# KiCad board RASRF2400WBMC.kicad_pcb (continued)
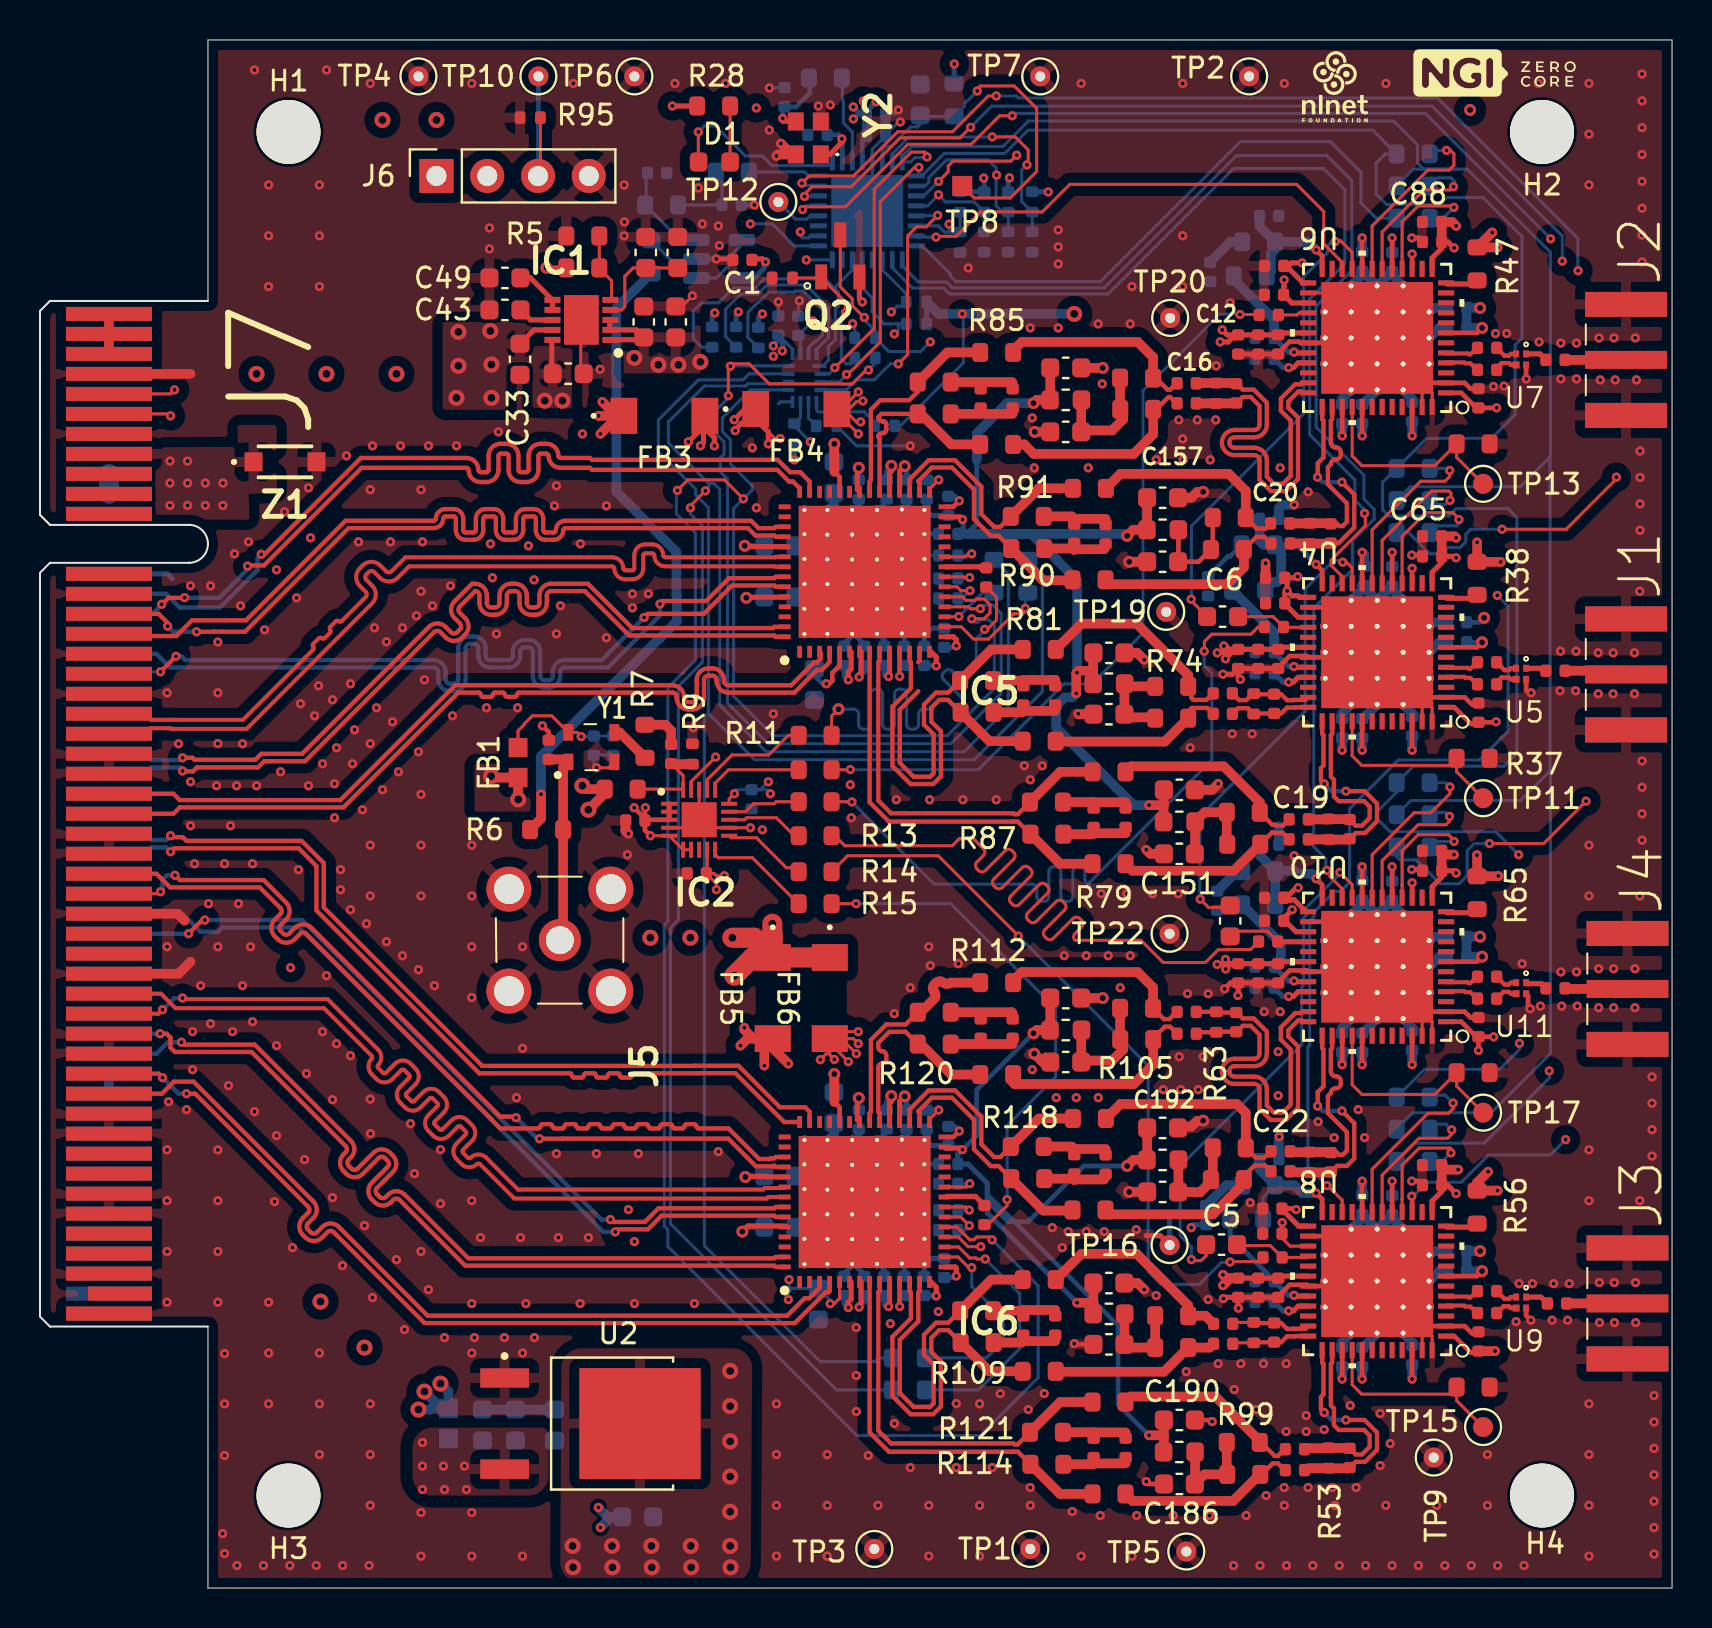
[diagram p0: board, top side]
## Placement (name value [footprint] x y rotation side) (continued)
R106  0  [R_0603_1608Metric]  53.47 4.71 0 top
R107  0  [R_0603_1608Metric]  53.47 9.3 0 top
R108  0  [R_0603_1608Metric]  49.98 15.43 0 top
R109  0  [R_0603_1608Metric]  49.98 10.84 0 top
R110  0  [R_0603_1608Metric]  52.47 18.91 0 top
R111  0  [R_0603_1608Metric]  52.49 23.48 0 top
R112  0  [R_0603_1608Metric]  47.85 30.28 0 top
R113  0  [R_0603_1608Metric]  47.85 25.68 0 top
R114  150  [R_0603_1608Metric]  50.37 6.19 180 top
R115  150  [R_0603_1608Metric]  46.85 13.87 180 top
R116  150  [R_0603_1608Metric]  46.88 12.28 0 top
R117  150  [R_0603_1608Metric]  49.41 20.47 180 top
R118  150  [R_0603_1608Metric]  49.38 22.08 0 top
R119  150  [R_0603_1608Metric]  44.73 28.8 180 top
R120  150  [R_0603_1608Metric]  44.73 27.21 0 top
R121  150  [R_0603_1608Metric]  50.34 7.79 0 top
R123  49.9  [R_0603_1608Metric]  43.43 11.51 0 bottom
R124  0  [R_0603_1608Metric]  43.43 9.91 0 bottom
R125  10K  [R_0402_1005Metric]  41.26 62.53 0 bottom
R126  10K  [R_0402_1005Metric]  41.26 61.53 180 bottom
R127  100K  [R_0402_1005Metric]  37.13 65.53 0 top
TP1  TestPoint  [TestPoint_THTPad_D1.0mm_Drill0.5mm]  49.53 1.96 90 top  (not fitted)
TP2  TestPoint  [TestPoint_THTPad_D1.0mm_Drill0.5mm]  60.48 75.6 90 top  (not fitted)
TP3  TestPoint  [TestPoint_THTPad_D1.0mm_Drill0.5mm]  41.73 1.96 90 top  (not fitted)
TP4  TestPoint  [TestPoint_THTPad_D1.0mm_Drill0.5mm]  18.93 75.6 90 top  (not fitted)
TP5  TestPoint  [TestPoint_THTPad_D1.0mm_Drill0.5mm]  57.34 1.82 90 top  (not fitted)
TP6  TestPoint  [TestPoint_THTPad_D1.0mm_Drill0.5mm]  29.73 75.6 90 top  (not fitted)
TP7  TestPoint  [TestPoint_THTPad_D1.0mm_Drill0.5mm]  50.03 75.6 90 top  (not fitted)
TP8  TestPoint  [TestPoint_Pad_1.0x1.0mm]  46.13 70.12 0 top  (not fitted)
TP9  TestPoint  [TestPoint_THTPad_D1.0mm_Drill0.5mm]  69.71 6.52 270 top  (not fitted)
TP10  TestPoint  [TestPoint_THTPad_D1.0mm_Drill0.5mm]  24.93 75.6 270 top  (not fitted)
TP11  TestPoint  [TestPoint_Pad_D1.0mm]  72.18 39.5 0 top  (not fitted)
TP12  TestPoint  [TestPoint_THTPad_D1.0mm_Drill0.5mm]  36.93 69.33 0 top  (not fitted)
TP13  TestPoint  [TestPoint_Pad_D1.0mm]  72.18 55.22 0 top  (not fitted)
TP15  TestPoint  [TestPoint_Pad_D1.0mm]  72.18 8.05 0 top  (not fitted)
TP16  TestPoint  [TestPoint_THTPad_D1.0mm_Drill0.5mm]  56.5 17.15 180 top  (not fitted)
TP17  TestPoint  [TestPoint_Pad_D1.0mm]  72.18 23.77 0 top  (not fitted)
TP19  TestPoint  [TestPoint_THTPad_D1.0mm_Drill0.5mm]  56.33 48.83 0 top  (not fitted)
TP20  TestPoint  [TestPoint_THTPad_D1.0mm_Drill0.5mm]  56.53 63.53 90 top  (not fitted)
TP22  TestPoint  [TestPoint_THTPad_D1.0mm_Drill0.5mm]  56.5 32.72 0 top  (not fitted)
U1  TLV9001DBVR  [SOT-23-5]  33.97 66.47 0 bottom
U2  LD1117DT33TR  [DPAK456P1010X240-3N]  27.53 8.22 0 top
U3  SN74AXC4T774RSVR  [RSV0016A]  38.24 60.52 180 bottom
U4  MAX2831ETM+T  [21-0144_T4877&plus_4_MXM]  66.88 46.8 180 top
U5  HHM1902B1  [HHM-4_1P0X0P5]  74.08 45.72 180 top
U6  MAX2831ETM+T  [21-0144_T4877&plus_4_MXM]  66.88 62.52 180 top
U7  HHM1902B1  [HHM-4_1P0X0P5]  74.08 61.45 180 top
U8  MAX2831ETM+T  [21-0144_T4877&plus_4_MXM]  66.88 15.35 180 top
U9  HHM1902B1  [HHM-4_1P0X0P5]  74.08 14.27 180 top
U10  MAX2831ETM+T  [21-0144_T4877&plus_4_MXM]  66.88 31.07 180 top
U11  HHM1902B1  [HHM-4_1P0X0P5]  74.08 30 180 top
Y1  7L-40.000MBS-T  [4-SMD_NoLead_Oscillator]  27.58 42.06 0 top
Y2  ABM10-166-12.000MHZ-T3  [ABM10]  38.43 72.53 90 top
Z1  -  [BZT52C4V7]  12.25 56.33 0 top

## Library data of the parts
C1 C11-C32 C36 C41 C44 C56-C58 C76 C99 C122 C145 C167-C170 C172 C174 C175 C177 C179-C185 C202-C205 C207 C209 C210 C212 C214-C220 = -: Description: Cap, MLCC, 100nF, 10V, X7R, 0402, ±10%; Manufacturer_Name: Murata; Manufacturer_Part_Number: GRM155R71A104KA01D; ki_fp_filters: C_*
C2 C3 C81 C104 C127 C150 = -: Description: Cap, MLCC, 2200pF, 50V, C0G/NP0, 0402, ±5%; Manufacturer_Name: Murata; Manufacturer_Part_Number: GRM1555C1H222JA01D; ki_fp_filters: C_*
C4-C6 C37 C53 C151-C158 C186-C193 = -: Description: Cap, MLCC, 100nF, 50V, X7R, 0603, ±10%; Manufacturer_Name: Murata; Manufacturer_Part_Number: GRM188R71H104KA93D; ki_fp_filters: C_*
C7-C10 = -: Description: Cap, MLCC, 47pF, 50V, C0G/NP0, 0402, ±1%; Manufacturer_Name: Murata; Manufacturer_Part_Number: GRM1555C1H470FA01D; ki_fp_filters: C_*
C33-C35 C38 C42 C48 C50 C51 = -: Description: Cap, MLCC, 10µF, 25V, X5R, 0603, ±10%; Manufacturer_Name: Murata; Manufacturer_Part_Number: GRM188R61E106MA73D; ki_fp_filters: C_*
C39 C45-C47 C64 C66 C67 C69 C74 C87 C89 C90 C92 C97 C110 C112 C113 C115 C120 C133 C135 C136 C138 C143 = -: Description: Cap, MLCC, 10nF, 50V, X7R, 0402, ±10%; Manufacturer_Name: Murata; Manufacturer_Part_Number: GRM155R71H103KA88D; ki_fp_filters: C_*
C40 C43 C49 = -: Description: Cap, MLCC, 1µF, 25V, X7R, 0603, ±10%; Manufacturer_Name: Murata; Manufacturer_Part_Number: GRM188R71E105KA12D; ki_fp_filters: C_*
C52 C54 = -: Description: Cap, MLCC, 6pF, 50V, C0G/NP0, 0402, ±0.25pF; Manufacturer_Name: Murata; Manufacturer_Part_Number: GJM1555C1H6R0CB01D; ki_fp_filters: C_*
C55 C59 C60 C63 C73 C82 C83 C86 C96 C105 C106 C109 C119 C128 C129 C132 C142 = -: Description: Cap, MLCC, 10µF, 10V, X5R, 0402, ±20%; Manufacturer_Name: Murata; Manufacturer_Part_Number: GRM155R61A106ME11D; ki_fp_filters: C_*
C61 C62 C65 C68 C70 C75 C80 C84 C85 C88 C91 C93 C98 C103 C107 C108 C111 C114 C116 C121 C126 C130 C131 C134 C137 C139 C144 C149 = -: Description: Cap, MLCC, 100pF, 50V, C0G/NP0, 0402, ±5%; Manufacturer_Name: Murata; Manufacturer_Part_Number: GRM1555C1H101JA01D; ki_fp_filters: C_*
C71 C72 C94 C95 C117 C118 C140 C141 = -: Description: Cap, MLCC, 10pF, 50V, C0G/NP0, 0402, ±5%; Manufacturer_Name: Murata; Manufacturer_Part_Number: GRM1555C1H100JZ01D; ki_fp_filters: C_*
C77 C78 C100 C101 C123 C124 C146 C147 = -: Description: Cap, MLCC, 1.5pF, 50V, C0G/NP0, 0402, ±0.1pF; Manufacturer_Name: Murata; Manufacturer_Part_Number: GJM1555C1H1R5BB01D; ki_fp_filters: C_*
C79 C102 C125 C148 = -: Description: Cap, MLCC, 68pF, 50V, C0G/NP0, 0402, ±5%; Manufacturer_Name: Murata; Manufacturer_Part_Number: GRM1555C1H680JZ01D; ki_fp_filters: C_*
C159-C166 C194-C201 = -: Description: Cap, MLCC, 11pF, 50V, C0G/NP0, 0402, ±2%; Manufacturer_Name: Johanson; Manufacturer_Part_Number: 500R07S110GV4T; ki_fp_filters: C_*
C171 C173 C176 C178 C206 C208 C211 C213 = -: Description: Cap, MLCC, 220nF, 50V, X7R, 0603, ±10%; Manufacturer_Name: Yageo; Manufacturer_Part_Number: CC0603KRX7R9BB224; ki_fp_filters: C_*
D1 = -: Description: LED, Orange, 605nm, 2.2V, 20mA, 0603, SMD; Manufacturer_Name: Kingbright; ki_fp_filters: LED* LED_SMD:* LED_THT:*
FB1 = -: Datasheet: https://www.murata.com/en-us/products/productdetail?partno=BLM18BD601BH1%23; Description: Ferrite Bead, 600Ω @100MHz, 500mA, 0.38Ω DCR, 0603, T&R; Manufacturer_Name: Murata; ki_fp_filters: Inductor_* L_* *Ferrite*
FB2 = -: Description: Ferrite Bead, 330Ω @100MHz, ±25%, 1.5A, 70mΩ DCR, 0603, T&R; Manufacturer_Name: Murata; Manufacturer_Part_Number: BLM18SG331TN1D; ki_fp_filters: Inductor_* L_* *Ferrite*
FB3-FB6 = -: Description: Ferrite Bead, 1kΩ @100MHz, ±25%, 1.5A, 90mΩ DCR, 1806 (4516 Metric), T&R; Manufacturer_Name: Murata; ki_fp_filters: Inductor_* L_* *Ferrite*
H1-H4 = -: ki_fp_filters: MountingHole*
IC1 = -: Datasheet: https://www.analog.com/ADP7156/datasheet; Description: 1.2 A, Ultralow Noise, High PSRR, Fixed Output, RF Linear Regulator; Description_1: 1.2 A, Ultralow Noise, High PSRR, Fixed Output, RF Linear Regulator; Height: 0.8; Mouser Part Number: 584-ADP7156ACPZ3.0R7; Mouser Price/Stock: https://www.mouser.co.uk/ProductDetail/Analog-Devices/ADP7156ACPZ-3.0-R7?qs=JeIcUl65ClBScQT6%2FKEVbA%3D%3D; Manufacturer_Name: Analog Devices
IC2 = -: Datasheet: https://componentsearchengine.com/Datasheets/1/5PB1206NDGK8.pdf; Description: IC, Clock Buffer, 1:6 TCXO/LVCMOS, 1.8V, 200MHz, Individual OE, 20-VFQFPN, T&R; Description_1: The 5PB1206is a high-performance TCXO / LVCMOS clock fanout bufferwith individual OE pin for each output. The CLKIN pin can accept either a square wave (LVCMOS) or clipped sine wave (such as TCXO clipped sine wave output) as input.The 5PB1206has industry-leading low jitter and extremely low current consumption, making it ideal for smart mobile devices.; Height: 1; Mouser Part Number: 972-5PB1206NDGK8; Mouser Price/Stock: https://www.mouser.com/Search/Refine.aspx?Keyword=972-5PB1206NDGK8; Manufacturer_Name: Renesas Electronics
IC3 = -: Datasheet: https://www.st.com/resource/en/datasheet/stm32c031c4.pdf; Description: IC, MCU, 32-bit ARM Cortex-M0+, 48MHz, 32KB Flash, 12KB RAM, 2x USART, SPI, I2C, ADC, 2–3.6V, 32-UFQFPN; Description_1: Mainstream Arm Cortex-M0+ MCU with 32 Kbytes of Flash memory, 12 Kbytes RAM, 48 MHz CPU, 2x USART, timers, ADC, comm. I/F, 2-3.6V; Height: 0.6; Mouser Part Number: 511-STM32C031K6U6; Mouser Price/Stock: https://www.mouser.co.uk/ProductDetail/STMicroelectronics/STM32C031K6U6?qs=IPgv5n7u5QaHL3ukKksvIA%3D%3D; Manufacturer_Name: STMicroelectronics
IC5 IC6 = -: Datasheet: https://www.ti.com/lit/ds/symlink/adc3424.pdf?ts=1630503887956&ref_url=https%253A%252F%252Fwww.ti.com%252Fproduct%252FADC3424; Description: IC, ADC, Quad-Ch, 12-bit, 25–125MSPS, LVDS Output, JESD204B, 56-QFN (8x8mm), T&R; Description_1: Analog to Digital Converters - ADC Quad-Channel, 12-Bit, 125-MSPS Analog-to-Digital Converter (ADC) 56-QFN -40 to 85; Height: 1; Mouser Part Number: 595-ADC3424IRTQR; Mouser Price/Stock: https://www.mouser.co.uk/ProductDetail/Texas-Instruments/ADC3424IRTQR?qs=7z%252BmIopC6%2FJj3yTXWYMMtg%3D%3D; Manufacturer_Name: Texas Instruments
J1-J4 = -: Description: Conn, WR-MPC3 Power, Male Header, 2-pos, 3.81mm Pitch, SMD, 12A, 250V; Manufacturer_Name: Würth Elektronik; ki_fp_filters: *BNC* *SMA* *SMB* *SMC* *Cinch* *LEMO* *UMRF* *MCX* *U.FL*
J5 = -: Datasheet: http://www.te.com/commerce/DocumentDelivery/DDEController?Action=showdoc&DocId=Customer+Drawing%7F1478979%7FB%7Fpdf%7FEnglish%7FENG_CD_1478979_B.pdf%7F1-1478979-0; Description: Conn, SMA, Jack/Female, Straight, PCB Mount, 50Ω, Solder, Through Hole, 18GHz; Description_1: SMA PCB mount straight socket jack TE Connectivity Straight 50 Through Hole SMA Connector, jack, Solder Termination Coaxial; Mouser Part Number: 571-1-1478979-0; Mouser Price/Stock: https://www.mouser.co.uk/ProductDetail/TE-Connectivity/1-1478979-0?qs=Vcr9%2FL0R50jLfIYfi0kfuw%3D%3D; Manufacturer_Name: TE Connectivity
J6 = -: Description: Conn, Header, Male, 1x4, 2.54mm Pitch, THT, Vertical, Unshrouded; Manufacturer_Name: Samtec; Manufacturer_Part_Number: TSW-104-07-G-S; ki_fp_filters: Connector*:*_1x??_*
L1-L8 = -: Description: Res, Thick Film, 0Ω, 1/10W, 0603, Jumper; Manufacturer_Name: Yageo; Manufacturer_Part_Number: RC0603JR-070RL; ki_fp_filters: Choke_* *Coil* Inductor_* L_*
Q2 = -: Datasheet: https://www.onsemi.com/pub/Collateral/MMBT3904LT1-D.PDF; Description: These Devices are Pb-Free, Halogen Free/BFR Free and are RoHS Compliant; S Prefix for Automotive and Other Applications Requiring Unique Site and Control Change Requirements; AEC-Q101 Qualified and PPAP Capable; Description_1: These Devices are Pb-Free, Halogen Free/BFR Free and are RoHS Compliant; S Prefix for Automotive and Other Applications Requiring Unique Site and Control Change Requirements; AEC-Q101 Qualified and PPAP Capable; Height: 1.11; Mouser Part Number: 863-MMBT3904LT1G; Mouser Price/Stock: https://www.mouser.co.uk/ProductDetail/onsemi/MMBT3904LT1G?qs=HVbQlW5zcXUYZ2Fy0YF3FQ%3D%3D; Manufacturer_Name: Onsemi
R1 R6 R7 R25 R37 R38 R46 R47 R55 R56 R64 R65 R79-R86 R97 R106-R113 R124 = -: Description: Res, Thick Film, 0Ω, 1/10W, 0603, Jumper; Manufacturer_Name: Yageo; Manufacturer_Part_Number: RC0603JR-070RL; ki_fp_filters: R_*
R2 R3 R8 = -: Description: Res, Thick Film, 10kΩ, 1/10W, 0603, ±1%; Manufacturer_Name: Yageo; Manufacturer_Part_Number: RC0603FR-0710KL; ki_fp_filters: R_*
R4 R22 = -: Description: Res, Thick Film, 100kΩ, 1/10W, 0603, ±1%; Manufacturer_Name: Yageo; Manufacturer_Part_Number: RC0603FR-07100KL; ki_fp_filters: R_*
R5 = -: Description: Res, Thick Film, 68.1kΩ, 1/10W, 0603, ±1%; Manufacturer_Name: Yageo; Manufacturer_Part_Number: RC0603FR-0768K1L; ki_fp_filters: R_*
R9 R23 R24 R26 R27 R29-R36 R44 R45 R53 R54 R62 R63 R95 R125 R126 = -: Description: Res, Thick Film, 10kΩ, 1/16W, 0402, ±1%; Manufacturer_Name: Yageo; Manufacturer_Part_Number: RC0402FR-0710KL; ki_fp_filters: R_*
R10-R15 = -: Description: Res, Thick Film, 33Ω, 1/10W, 0603, ±1%; Manufacturer_Name: Yageo; Manufacturer_Part_Number: RC0603FR-0733RL; ki_fp_filters: R_*
R16 R17 = -: Description: Res, Thick Film, 4.7kΩ, 1/16W, 0402, ±1%; Manufacturer_Name: Yageo; Manufacturer_Part_Number: RC0402FR-074K7L; ki_fp_filters: R_*
R18-R21 R127 = -: Description: Res, Thick Film, 100kΩ, 1/16W, 0402, ±1%; Manufacturer_Name: Yageo; Manufacturer_Part_Number: RC0402FR-074K7L; ki_fp_filters: R_*
R28 R71-R78 R98-R105 = -: Description: Res, Thick Film, 1kΩ, 1/10W, 0603, ±1%; Manufacturer_Name: Yageo; Manufacturer_Part_Number: RC0603FR-071KL; ki_fp_filters: R_*
R39 R48 R57 R66 = -: Description: Res, Thick Film, 100Ω, 1/10W, 0603, ±1%; Manufacturer_Name: Yageo; Manufacturer_Part_Number: RC0603FR-07100RL; ki_fp_filters: R_*
R40 R41 R49 R50 R58 R59 R67 R68 R96 R123 = -: Description: Res, Thick Film, 49.9Ω, 1/10W, 0603, ±1%; Manufacturer_Name: Yageo; Manufacturer_Part_Number: RC0603FR-0749R9L; ki_fp_filters: R_*
R42 R51 R60 R69 = -: Description: Res, Thick Film, 750Ω, 1/10W, 0603, ±1%; Manufacturer_Name: Yageo; Manufacturer_Part_Number: RC0603FR-07750RL; ki_fp_filters: R_*
R43 R52 R61 R70 = -: Description: Res, Thick Film, 1.2kΩ, 1/10W, 0603, ±1%; Manufacturer_Name: Yageo; Manufacturer_Part_Number: RC0603FR-071K2L; ki_fp_filters: R_*
R87-R94 R114-R121 = -: Description: Res, Thick Film, 150Ω, 1/10W, 0603, ±1%; Manufacturer_Name: Yageo; Manufacturer_Part_Number: RC0603FR-07150RL; ki_fp_filters: R_*
TP1-TP13 TP15-TP17 TP19 TP20 TP22 = -: ki_fp_filters: Pin* Test*
U1 = -: Description: R-R I/O, 1MHz, 60µA, 3.3V; Manufacturer_Name: Texas Instruments
U2 = -: Description: IC, LDO Regulator, 3.3V, 800mA, Fixed, DPAK (TO-252), T&R; PARTREV: 33; STANDARD: IPC7351B; MANUFACTURER: STMicroelectronics; Manufacturer_Name: STMicroelectronics
U3 = -: Description: IC, Level Shifter, 4-bit Dual-Supply Bus Transceiver, Bidirectional, Independent Dir Control, Tri-State, 16-UQFN (1.8x2.6mm), T&R; Manufacturer_Name: Texas Instruments; ki_fp_filters: RSV0016A
U4 U6 U8 U10 = -: Description: IC, RF Transceiver, 802.11b/g, 2.4–2.5GHz, 21dBm, 48-TQFN, T&R; Manufacturer_Name: Analog Devices (Maxim Integrated); ki_fp_filters: 21-0144_T4877+4_MXM 21-0144_T4877+4_MXM-M 21-0144_T4877+4_MXM-L
U5 U7 U9 U11 = -: Description: Balun, Multilayer, 2.4–2.5GHz, 50/50Ω, 0.8dB IL, SMD 0402; Manufacturer_Name: TDK Corporation; ki_fp_filters: HHM-4_1P0X0P5 HHM-4_1P0X0P5-M HHM-4_1P0X0P5-L
Y1 = -: Description: OSC, TCXO, 40MHz, 3.3V, ±2ppm, Clipped Sine, SMD 2.5x2mm, 4-Pin; Manufacturer_Name: TXC Corporation; ki_fp_filters: Crystal*
Y2 = -: Datasheet: https://abracon.com/Resonators/ABM10.pdf; Description: Crystal, 12MHz, 8pF, ±10ppm, 125Ω ESR, SMD 2.5x2.0mm, T&R; Height: 0.7; Mouser Part Number: 815-ABM10-166-12T; Mouser Price/Stock: https://www.mouser.co.uk/ProductDetail/ABRACON/ABM10-166-12000MHZ-T3?qs=AZxAKFb3YN%252BAX9KW5C28Tw%3D%3D; Manufacturer_Name: Abracon
Z1 = -: Datasheet: https://www.diodes.com/assets/Datasheets/ds18004.pdf; Description: Zener Diode, 4.7V, ±5%, 200mW, SOD-123, T&R; Description_1: Zener Diodes Zener Diode, SOD-123F, 4.7V, 0.5W, 5%; Height: 1.35; Mouser Part Number: 637-BZT52C4V7; Mouser Price/Stock: https://www.mouser.co.uk/ProductDetail/Diotec-Semiconductor/BZT52C4V7?qs=OlC7AqGiEDnKHszikXcSEg%3D%3D; Manufacturer_Name: Diotec

## Footprints (pads in the part's own frame, mm; a bottom-side part is the same pattern mirrored in y, then rotated)
4-SMD_NoLead_Oscillator
  rect 0.5x0.825 smd: 1(-1.15,-0.738) 2(1.15,-0.738) 3(1.15,0.738) 4(-1.15,0.738)
21-0144_T4877&plus_4_MXM
  rect 0.808x0.255 smd: 1(-3.452,2.75) 2(-3.452,2.25) 3(-3.452,1.75) 4(-3.452,1.25) 5(-3.452,0.75) 6(-3.452,0.25) 7(-3.452,-0.25) 8(-3.452,-0.75) 9(-3.452,-1.25) 10(-3.452,-1.75) 11(-3.452,-2.25) 12(-3.452,-2.75) 25(3.452,-2.75) 26(3.452,-2.25) 27(3.452,-1.75) 28(3.452,-1.25) 29(3.452,-0.75) 30(3.452,-0.25) 31(3.452,0.25) 32(3.452,0.75) 33(3.452,1.25) 34(3.452,1.75) 35(3.452,2.25) 36(3.452,2.75)
  rect 0.255x0.808 smd: 13(-2.75,-3.452) 14(-2.25,-3.452) 15(-1.75,-3.452) 16(-1.25,-3.452) 17(-0.75,-3.452) 18(-0.25,-3.452) 19(0.25,-3.452) 20(0.75,-3.452) 21(1.25,-3.452) 22(1.75,-3.452) 23(2.25,-3.452) 24(2.75,-3.452) 37(2.75,3.452) 38(2.25,3.452) 39(1.75,3.452) 40(1.25,3.452) 41(0.75,3.452) 42(0.25,3.452) 43(-0.25,3.452) 44(-0.75,3.452) 45(-1.25,3.452) 46(-1.75,3.452) 47(-2.25,3.452) 48(-2.75,3.452)
  rect 5.588x5.588 smd: 49(0,0)
  round 0.5 hole 0.25: V(-2.6,1.3) V(-2.6,0) V(-2.6,-1.3) V(-1.3,2.6) V(-1.3,1.3) V(-1.3,0) V(-1.3,-1.3) V(-1.3,-2.6) V(0,2.6) V(0,1.3) V(0,0) V(0,-1.3) V(0,-2.6) V(1.3,2.6) V(1.3,1.3) V(1.3,0) V(1.3,-1.3) V(1.3,-2.6) V(2.6,1.3) V(2.6,0) V(2.6,-1.3)
114789790
  round 2.25 hole 1.5: 1(-2.55,2.563) 2(2.55,2.563) 3(2.55,-2.537) 4(-2.55,-2.537)
  round 2.1 hole 1.4: 5(0,0.013)
ABM10
  rect 0.9x0.8 smd: 1(-0.825,-0.625) 2(0.825,-0.625) 3(0.825,0.625) 4(-0.825,0.625)
BUS_PCIexpress_x8
  rect 0.7x3.2 smd far side: A1(0,0.55)
  rect 0.7x4.3 smd far side: A2(1,0) A3(2,0) A4(3,0) A5(4,0) A6(5,0) A7(6,0) A8(7,0) A9(8,0) A10(9,0) A11(10,0) A12(13,0) A13(14,0) A14(15,0) A15(16,0) A16(17,0) A17(18,0) A18(19,0) A19(20,0) A20(21,0) A21(22,0) A22(23,0) A23(24,0) A24(25,0) A25(26,0) A26(27,0) A27(28,0) A28(29,0) A29(30,0) A30(31,0) A31(32,0) A32(33,0) A33(34,0) A34(35,0) A35(36,0) A36(37,0) A37(38,0) A38(39,0) A39(40,0) A40(41,0) A41(42,0) A42(43,0) A43(44,0) A44(45,0) A45(46,0) A46(47,0) A47(48,0) A48(49,0) A49(50,0)
  rect 0.7x4.3 smd: B1(0,0) B2(1,0) B3(2,0) B4(3,0) B5(4,0) B6(5,0) B7(6,0) B8(7,0) B9(8,0) B10(9,0) B11(10,0) B12(13,0) B13(14,0) B14(15,0) B15(16,0) B16(17,0) B17(18,0) B18(19,0) B19(20,0) B20(21,0) B21(22,0) B22(23,0) B23(24,0) B24(25,0) B25(26,0) B26(27,0) B27(28,0) B28(29,0) B29(30,0) B30(31,0) B31(32,0) B32(33,0) B33(34,0) B34(35,0) B35(36,0) B36(37,0) B37(38,0) B38(39,0) B39(40,0) B40(41,0) B41(42,0) B42(43,0) B43(44,0) B44(45,0) B45(46,0) B46(47,0) B47(48,0) B49(50,0)
  rect 0.7x3.2 smd: B48(49,0.55)
BZT52C4V7
  rect 0.9x0.95 smd: 1(-1.575,0) 2(1.575,0)
C_0402_1005Metric
  rrect 0.56x0.62 smd: 1(-0.48,0) 2(0.48,0)
C_0603_1608Metric
  rrect 0.9x0.95 smd: 1(-0.775,0) 2(0.775,0)
DPAK456P1010X240-3N
  rect 2.44x0.97 smd: 1(-4.29,2.28) 3(-4.29,-2.28)
  rect 6.07x5.55 smd: 2(2.48,0)
HHM-4_1P0X0P5
  rect 0.3x0.35 smd: 1(-0.25,-0.275) 2(0.25,-0.275) 4(-0.25,0.275)
  rect 0.35x0.35 smd: 3(0.25,0.275)
IND_BLM18_0603_MUR
  rect 0.965x0.94 smd: 1(-0.749,0) 2(0.749,0)
IND_BLM41_1806_MUR
  rect 1.341x1.803 smd: 1(-2.029,0) 2(2.029,0)
JACK_02114307_WRE
  rect 0.9x4.1 smd: 1(0,2.05)
  rect 1.25x4.1 smd: 2(-2.775,2.05) 3(2.775,2.05)
  rect 1.25x4.1 smd far side: 4(-2.775,2.05) 5(2.775,2.05)
L_0603_1608Metric
  rrect 0.875x0.95 smd: 1(-0.787,0) 2(0.787,0)
LED_0603_1608Metric
  rrect 0.875x0.95 smd: 1(-0.788,0) 2(0.788,0)
MountingHole_3.2mm_M3_ISO7380
  round 3.2 hole 3.2 unplated: (0,0)
PinSocket_1x04_P2.54mm_Vertical
  rect 1.7x1.7 hole 1: 1(0,0)
  round 1.7 hole 1: 2(0,-2.54) 3(0,-5.08) 4(0,-7.62)
QFN40P300X300X100-21N-D
  rect 0.8x0.2 smd: 1(-1.5,0.8) 2(-1.5,0.4) 3(-1.5,0) 4(-1.5,-0.4) 5(-1.5,-0.8) 11(1.5,-0.8) 12(1.5,-0.4) 13(1.5,0) 14(1.5,0.4) 15(1.5,0.8)
  rect 0.2x0.8 smd: 6(-0.8,-1.5) 7(-0.4,-1.5) 8(0,-1.5) 9(0.4,-1.5) 10(0.8,-1.5) 16(0.8,1.5) 17(0.4,1.5) 18(0,1.5) 19(-0.4,1.5) 20(-0.8,1.5)
  rect 1.75x1.75 smd: 21(0,0)
QFN50P500X500X60-33N-D
  rect 0.85x0.25 smd: 1(-2.45,1.75) 2(-2.45,1.25) 3(-2.45,0.75) 4(-2.45,0.25) 5(-2.45,-0.25) 6(-2.45,-0.75) 7(-2.45,-1.25) 8(-2.45,-1.75) 17(2.45,-1.75) 18(2.45,-1.25) 19(2.45,-0.75) 20(2.45,-0.25) 21(2.45,0.25) 22(2.45,0.75) 23(2.45,1.25) 24(2.45,1.75)
  rect 0.25x0.85 smd: 9(-1.75,-2.45) 10(-1.25,-2.45) 11(-0.75,-2.45) 12(-0.25,-2.45) 13(0.25,-2.45) 14(0.75,-2.45) 15(1.25,-2.45) 16(1.75,-2.45) 25(1.75,2.45) 26(1.25,2.45) 27(0.75,2.45) 28(0.25,2.45) 29(-0.25,2.45) 30(-0.75,2.45) 31(-1.25,2.45) 32(-1.75,2.45)
  rect 3.6x3.6 smd: 33(0,0)
QFN50P800X800X100-57N-D
  rect 0.6x0.24 smd: 1(-4,3.25) 2(-4,2.75) 3(-4,2.25) 4(-4,1.75) 5(-4,1.25) 6(-4,0.75) 7(-4,0.25) 8(-4,-0.25) 9(-4,-0.75) 10(-4,-1.25) 11(-4,-1.75) 12(-4,-2.25) 13(-4,-2.75) 14(-4,-3.25) 29(4,-3.25) 30(4,-2.75) 31(4,-2.25) 32(4,-1.75) 33(4,-1.25) 34(4,-0.75) 35(4,-0.25) 36(4,0.25) 37(4,0.75) 38(4,1.25) 39(4,1.75) 40(4,2.25) 41(4,2.75) 42(4,3.25)
  rect 0.24x0.6 smd: 15(-3.25,-4) 16(-2.75,-4) 17(-2.25,-4) 18(-1.75,-4) 19(-1.25,-4) 20(-0.75,-4) 21(-0.25,-4) 22(0.25,-4) 23(0.75,-4) 24(1.25,-4) 25(1.75,-4) 26(2.25,-4) 27(2.75,-4) 28(3.25,-4) 43(3.25,4) 44(2.75,4) 45(2.25,4) 46(1.75,4) 47(1.25,4) 48(0.75,4) 49(0.25,4) 50(-0.25,4) 51(-0.75,4) 52(-1.25,4) 53(-1.75,4) 54(-2.25,4) 55(-2.75,4) 56(-3.25,4)
  rect 6.6x6.6 smd: 57(0,0)
  round 0.45 hole 0.2: V(-3.1,3.01) V(-3.1,1.86) V(-3.1,0.62) V(-3.1,-0.62) V(-3.1,-2.99) V(-3.08,-1.86) V(-1.86,1.86) V(-1.86,0.62) V(-1.86,-0.62) V(-1.84,3.01) V(-1.84,-1.86) V(-1.84,-2.99) V(-0.62,1.86) V(-0.62,0.62) V(-0.62,-0.62) V(-0.6,3.01) V(-0.6,-1.86) V(-0.6,-2.99) V(0.62,1.86) V(0.62,0.62) V(0.62,-0.62) V(0.64,3.01) V(0.64,-1.86) V(0.64,-2.99) V(1.86,1.86) V(1.86,0.62) V(1.86,-0.62) V(1.88,3.01) V(1.88,-1.86) V(1.88,-2.99) V(3.1,3.01) V(3.1,1.86) V(3.1,0.62) V(3.1,-0.62) V(3.1,-2.99) V(3.12,-1.86)
R_0402_1005Metric
  rrect 0.54x0.64 smd: 1(-0.51,0) 2(0.51,0)
R_0603_1608Metric
  rrect 0.8x0.95 smd: 1(-0.825,0) 2(0.825,0)
RSV0016A
  rect 0.7x0.2 smd: 1(-0.75,0.6)
  rect 0.6x0.2 smd: 2(-0.8,0.2) 3(-0.8,-0.2) 4(-0.8,-0.6) 9(0.8,-0.6) 10(0.8,-0.2) 11(0.8,0.2) 12(0.8,0.6)
  rect 0.2x0.6 smd: 5(-0.6,-1.2) 6(-0.2,-1.2) 7(0.2,-1.2) 8(0.6,-1.2) 13(0.6,1.2) 14(0.2,1.2) 15(-0.2,1.2) 16(-0.6,1.2)
SON50P300X300X80-11N-D
  rect 0.8x0.3 smd: 1(-1.45,1) 2(-1.45,0.5) 3(-1.45,0) 4(-1.45,-0.5) 5(-1.45,-1) 6(1.45,-1) 7(1.45,-0.5) 8(1.45,0) 9(1.45,0.5) 10(1.45,1)
  rect 1.74x2.48 smd: 11(0,0)
SOT96P237X111-3N
  rect 1.25x0.6 smd: 1(-1.05,0.955) 2(-1.05,-0.955) 3(1.05,0)
SOT-23-5
  rrect 1.325x0.6 smd: 1(-1.137,0.95) 2(-1.137,0) 3(-1.137,-0.95) 4(1.137,-0.95) 5(1.137,0.95)
TestPoint_Pad_1.0x1.0mm
  rect 1x1 smd: 1(0,0)
TestPoint_Pad_D1.0mm
  round 1 smd: 1(0,0)
TestPoint_THTPad_D1.0mm_Drill0.5mm
  round 1 hole 0.5: 1(0,0)

## Nets
+1V8: C45.1 C46.1 C47.1 C48.1 C58.2 FB3.1 FB4.1 FB5.1 FB6.1 IC2.1 IC2.2 IC2.3 IC2.5 IC2.6 IC2.7 IC2.9 IC2.15 IC2.19 R8.2 R125.1 U2.2 U3.13
+3V3: C1.1 C33.1 C34.1 C55.1 C56.1 C57.2 C60.2 C61.2 C63.2 C65.2 C83.2 C84.2 C86.2 C88.2 C106.2 C107.2 C109.2 C111.2 C129.2 C130.2 C132.2 C134.2 FB1.1 FB2.2 IC1.9 IC1.10 IC3.4 J6.1 J7.A9 J7.A10 J7.B8 R4.2 R16.2 R17.1 R22.1 R23.2 R24.2 R26.2 R27.2 R28.2 R29.1 R30.1 R32.2 R33.2 R34.2 U1.5 U3.14 U4.7 U4.13 U6.7 U6.13 U8.7 U8.13 U10.7 U10.13 Z1.1
+3V_RF: C50.1 C51.1 C59.2 C62.1 C64.1 C66.1 C67.1 C68.1 C69.1 C70.1 C73.2 C74.1 C75.2 C82.2 C85.1 C87.1 C89.1 C90.1 C91.1 C92.1 C93.1 C96.2 C97.1 C98.2 C105.2 C108.1 C110.1 C112.1 C113.1 C114.1 C115.1 C116.1 C119.2 C120.1 C121.2 C128.2 C131.1 C133.1 C135.1 C136.1 C137.1 C138.1 C139.1 C142.2 C143.1 C144.2 IC1.1 IC1.2 IC1.3 R38.1 R47.1 R56.1 R65.1 U4.1 U4.17 U4.20 U4.25 U4.27 U4.30 U4.39 U4.41 U4.46 U6.1 U6.17 U6.20 U6.25 U6.27 U6.30 U6.39 U6.41 U6.46 U8.1 U8.17 U8.20 U8.25 U8.27 U8.30 U8.39 U8.41 U8.46 U10.1 U10.17 U10.20 U10.25 U10.27 U10.30 U10.39 U10.41 U10.46
/ADC_1/1V8_AVDD: C169.1 C170.1 C172.1 C174.1 C175.1 C177.1 C179.1 C180.1 C181.1 C182.1 C183.1 C184.1 C185.1 FB4.2 IC5.6 IC5.7 IC5.10 IC5.11 IC5.14 IC5.15 IC5.20 IC5.23 IC5.28 IC5.29 IC5.32 IC5.33 IC5.36
/ADC_1/1V8_DVDD: C171.1 C173.1 C176.1 C178.1 FB3.2 IC5.5 IC5.38 IC5.47 IC5.52
/ADC_2/1V8_AVDD: C204.1 C205.1 C207.1 C209.1 C210.1 C212.1 C214.1 C215.1 C216.1 C217.1 C218.1 C219.1 C220.1 FB6.2 IC6.6 IC6.7 IC6.10 IC6.11 IC6.14 IC6.15 IC6.20 IC6.23 IC6.28 IC6.29 IC6.32 IC6.33 IC6.36
/ADC_2/1V8_DVDD: C206.1 C208.1 C211.1 C213.1 FB5.2 IC6.5 IC6.38 IC6.47 IC6.52
GND: C1.2 C2.2 C3.2 C33.2 C34.2 C35.2 C36.2 C37.2 C38.2 C39.2 C40.2 C41.2 C42.2 C43.2 C45.2 C46.2 C47.2 C48.2 C49.2 C50.2 C51.2 C52.2 C53.2 C54.2 C55.2 C56.2 C57.1 C58.1 C59.1 C60.1 C61.1 C62.2 C63.1 C64.2 C65.1 C66.2 C67.2 C68.2 C69.2 C70.2 C73.1 C74.2 C75.1 C76.1 C79.1 C80.1 C81.1 C82.1 C83.1 C84.1 C85.2 C86.1 C87.2 C88.1 C89.2 C90.2 C91.2 C92.2 C93.2 C96.1 C97.2 C98.1 C99.1 C102.1 C103.1 C104.1 C105.1 C106.1 C107.1 C108.2 C109.1 C110.2 C111.1 C112.2 C113.2 C114.2 C115.2 C116.2 C119.1 C120.2 C121.1 C122.1 C125.1 C126.1 C127.1 C128.1 C129.1 C130.1 C131.2 C132.1 C133.2 C134.1 C135.2 C136.2 C137.2 C138.2 C139.2 C142.1 C143.2 C144.1 C145.1 C148.1 C149.1 C150.1 C151.2 C152.2 C153.2 C154.2 C155.2 C156.2 C157.2 C158.2 C167.1 C168.2 C169.2 C170.2 C171.2 C172.2 C173.2 C174.2 C175.2 C176.2 C177.2 C178.2 C179.2 C180.2 C181.2 C182.2 C183.2 C184.2 C185.2 C186.2 C187.2 C188.2 C189.2 C190.2 C191.2 C192.2 C193.2 C202.1 C203.2 C204.2 C205.2 C206.2 C207.2 C208.2 C209.2 C210.2 C211.2 C212.2 C213.2 C214.2 C215.2 C216.2 C217.2 C218.2 C219.2 C220.2 IC1.11 IC2.4 IC2.12 IC2.18 IC2.21 IC3.5 IC3.33 IC5.57 IC5.V IC6.57 IC6.V J1.2 J1.3 J1.4 J1.5 J2.2 J2.3 J2.4 J2.5 J3.2 J3.3 J3.4 J3.5 J4.2 J4.3 J4.4 J4.5 J5.1 J5.2 J5.3 J5.4 J6.4 J7.A4 J7.A12 J7.A15 J7.A18 J7.A20 J7.A23 J7.A24 J7.A27 J7.A28 J7.A31 J7.A34 J7.A37 J7.A38 J7.A41 J7.A42 J7.A45 J7.A46 J7.A49 J7.B4 J7.B7 J7.B13 J7.B16 J7.B18 J7.B21 J7.B22 J7.B25 J7.B26 J7.B29 J7.B32 J7.B35 J7.B36 J7.B39 J7.B40 J7.B43 J7.B44 J7.B47 J7.B49 Q2.2 R5.1 R9.1 R18.1 R19.1 R20.1 R21.1 R31.2 R37.1 R46.1 R55.1 R64.1 R95.1 R127.1 TP1.1 TP2.1 TP3.1 TP4.1 TP5.1 TP6.1 TP7.1 TP9.1 TP16.1 TP19.1 TP20.1 TP22.1 U1.2 U2.1 U3.8 U4.2 U4.26 U4.31 U4.47 U4.48 U4.49 U4.V U5.4 U6.2 U6.26 U6.31 U6.47 U6.48 U6.49 U6.V U7.4 U8.2 U8.26 U8.31 U8.47 U8.48 U8.49 U8.V U9.4 U10.2 U10.26 U10.31 U10.47 U10.48 U10.49 U10.V U11.4 Y1.2 Y2.2 Y2.4 Z1.2
/ADC1_CLK: C31.1 R11.2
/ADC1_CS: IC5.18 R126.1 U3.12
/ADC1_DA0_N: IC5.4 J7.B24
/ADC1_DA0_P: IC5.3 J7.B23
/ADC1_DB0_N: IC5.56 J7.A22
/ADC1_DB0_P: IC5.55 J7.A21
/ADC1_DC0_N: IC5.46 J7.B14
/ADC1_DC0_P: IC5.45 J7.B15
/ADC1_DCLK_N: IC5.51 J7.A17
/ADC1_DCLK_P: IC5.50 J7.A16
/ADC1_DD0_N: IC5.42 J7.A14
/ADC1_DD0_P: IC5.41 J7.A13
/ADC1_FCLK_N: IC5.49 J7.B20
/ADC1_FCLK_P: IC5.48 J7.B19
/ADC2_CLK: C32.1 R15.2
/ADC2_CS: IC6.18 Q2.3 R125.2
/ADC2_DA0_N: IC6.4 J7.B37
/ADC2_DA0_P: IC6.3 J7.B38
/ADC2_DB0_N: IC6.56 J7.A35
/ADC2_DB0_P: IC6.55 J7.A36
/ADC2_DC0_N: IC6.46 J7.B28
/ADC2_DC0_P: IC6.45 J7.B27
/ADC2_DCLK_N: IC6.51 J7.A29
/ADC2_DCLK_P: IC6.50 J7.A30
/ADC2_DD0_N: IC6.42 J7.A26
/ADC2_DD0_P: IC6.41 J7.A25
/ADC2_FCLK_N: IC6.49 J7.B33
/ADC2_FCLK_P: IC6.48 J7.B34
/ADC_1/CLKP_ADC: C31.2 IC5.22
/ADC_1/IN_A_N: C23.2 R71.2 R79.2
/ADC_1/IN_A_P: C19.1 R72.1 R80.2
/ADC_1/IN_B_N: C15.2 R73.2 R81.2
/ADC_1/IN_B_P: C24.2 R74.1 R82.2
/ADC_1/IN_C_N: C25.2 R75.2 R83.2
/ADC_1/IN_C_P: C20.1 R76.1 R84.2
/ADC_1/IN_D_N: C16.2 R77.2 R85.2
/ADC_1/IN_D_P: C26.2 R78.1 R86.2
/ADC_1/INA_N: IC5.8 R79.1 R87.2
/ADC_1/INA_P: IC5.9 R80.1 R94.1
/ADC_1/INB_N: IC5.13 R81.1 R88.2
/ADC_1/INB_P: IC5.12 R82.1 R89.1
/ADC_1/INC_N: IC5.30 R83.1 R90.2
/ADC_1/INC_P: IC5.31 R84.1 R91.1
/ADC_1/IND_N: IC5.35 R85.1 R92.2
/ADC_1/IND_P: IC5.34 R86.1 R93.1
/ADC_1/VCM_ADC: C155.1 C156.1 C157.1 C158.1 C168.1 IC5.27 L1.2 L2.2 L3.2 L4.2
/ADC_2/CLKP_ADC: C32.2 IC6.22
/ADC_2/IN_A_N: C27.2 R98.2 R106.2
/ADC_2/IN_A_P: C21.1 R99.1 R107.2
/ADC_2/IN_B_N: C17.2 R100.2 R108.2
/ADC_2/IN_B_P: C28.2 R101.1 R109.2
/ADC_2/IN_C_N: C29.2 R102.2 R110.2
/ADC_2/IN_C_P: C22.1 R103.1 R111.2
/ADC_2/IN_D_N: C18.2 R104.2 R112.2
/ADC_2/IN_D_P: C30.2 R105.1 R113.2
/ADC_2/INA_N: IC6.8 R106.1 R114.2
/ADC_2/INA_P: IC6.9 R107.1 R121.1
/ADC_2/INB_N: IC6.13 R108.1 R115.2
/ADC_2/INB_P: IC6.12 R109.1 R116.1
/ADC_2/INC_N: IC6.30 R110.1 R117.2
/ADC_2/INC_P: IC6.31 R111.1 R118.1
/ADC_2/IND_N: IC6.35 R112.1 R119.2
/ADC_2/IND_P: IC6.34 R113.1 R120.1
/ADC_2/VCM_ADC: C190.1 C191.1 C192.1 C193.1 C203.1 IC6.27 L5.2 L6.2 L7.2 L8.2
/ADC_SCLK: R96.1 R123.1 U3.11
/ADC_SDI: R97.1 R124.1 U3.10
/ADC_SDO: IC5.19 IC6.19 U3.9
/ANT1: C7.1 J1.1
/ANT2: C8.1 J2.1
/ANT3: C9.1 J3.1
/ANT4: C10.1 J4.1
/MAX1_CLK: C14.1 R12.2
/MAX1_CS: IC3.7 R21.2 R27.1 U4.15
/MAX1_LD: IC3.18 U4.22
/MAX1_RSSI: IC3.31 R39.1
/MAX2_CLK: C12.1 R10.2
/MAX2_CS: IC3.10 R20.2 R26.1 U6.15
/MAX2_LD: IC3.15 U6.22
/MAX2_RSSI: IC3.16 R48.1
/MAX3_CLK: C11.1 R14.2
/MAX3_CS: IC3.12 R19.2 R24.1 U8.15
/MAX3_LD: IC3.11 U8.22
/MAX3_RSSI: IC3.29 R57.1
/MAX4_CLK: C13.1 R13.2
/MAX4_CS: IC3.14 R18.2 R23.1 U10.15
/MAX4_LD: IC3.17 U10.22
/MAX4_RSSI: IC3.30 R66.1
/PWR&CLK/CLK_REF: C44.1 IC2.20 R8.1 R9.2
/PWR&CLK/OSC_VC: R1.1 R6.2
/RF-TRANS_1/CPOUT: C80.2 R42.1 R43.2 U4.24
/RF-TRANS_1/MAX_CLKOUT: C4.1 U4.21
/RF-TRANS_1/MAX_RXRF_N: C77.2 U4.5
/RF-TRANS_1/MAX_RXRF_P: C78.2 U4.4
/RF-TRANS_1/RFRX: C7.2 U5.1
/RF-TRANS_1/RXBBI_N: C23.1 C71.2 R35.2 U4.37
/RF-TRANS_1/RXBBI_P: C19.2 C71.1 R35.1 U4.38
/RF-TRANS_1/RXBBQ_N: C15.1 C72.2 R36.2 U4.35
/RF-TRANS_1/RXBBQ_P: C24.1 C72.1 R36.1 U4.36
/RF-TRANS_1/RXRF_N: C77.1 U5.2
/RF-TRANS_1/RXRF_P: C78.1 U5.3
/RF-TRANS_1/XTAL_MAX: C6.2 C14.2 U4.28
/RF-TRANS_2/CPOUT: C103.2 R51.1 R52.2 U6.24
/RF-TRANS_2/MAX_CLKOUT: C6.1 U6.21
/RF-TRANS_2/MAX_RXRF_N: C100.2 U6.5
/RF-TRANS_2/MAX_RXRF_P: C101.2 U6.4
/RF-TRANS_2/RFRX: C8.2 U7.1
/RF-TRANS_2/RXBBI_N: C25.1 C94.2 R44.2 U6.37
/RF-TRANS_2/RXBBI_P: C20.2 C94.1 R44.1 U6.38
/RF-TRANS_2/RXBBQ_N: C16.1 C95.2 R45.2 U6.35
/RF-TRANS_2/RXBBQ_P: C26.1 C95.1 R45.1 U6.36
/RF-TRANS_2/RXRF_N: C100.1 U7.2
/RF-TRANS_2/RXRF_P: C101.1 U7.3
/RF-TRANS_2/XTAL_MAX: C12.2 U6.28
/RF-TRANS_3/CPOUT: C126.2 R60.1 R61.2 U8.24
/RF-TRANS_3/MAX_CLKOUT: U8.21
/RF-TRANS_3/MAX_RXRF_N: C123.2 U8.5
/RF-TRANS_3/MAX_RXRF_P: C124.2 U8.4
/RF-TRANS_3/RFRX: C9.2 U9.1
/RF-TRANS_3/RXBBI_N: C27.1 C117.2 R53.2 U8.37
/RF-TRANS_3/RXBBI_P: C21.2 C117.1 R53.1 U8.38
/RF-TRANS_3/RXBBQ_N: C17.1 C118.2 R54.2 U8.35
/RF-TRANS_3/RXBBQ_P: C28.1 C118.1 R54.1 U8.36
/RF-TRANS_3/RXRF_N: C123.1 U9.2
/RF-TRANS_3/RXRF_P: C124.1 U9.3
/RF-TRANS_3/XTAL_MAX: C5.2 C11.2 U8.28
/RF-TRANS_4/CPOUT: C149.2 R69.1 R70.2 U10.24
/RF-TRANS_4/MAX_CLKOUT: C5.1 U10.21
/RF-TRANS_4/MAX_RXRF_N: C146.2 U10.5
/RF-TRANS_4/MAX_RXRF_P: C147.2 U10.4
/RF-TRANS_4/RFRX: C10.2 U11.1
/RF-TRANS_4/RXBBI_N: C29.1 C140.2 R62.2 U10.37
/RF-TRANS_4/RXBBI_P: C22.2 C140.1 R62.1 U10.38
/RF-TRANS_4/RXBBQ_N: C18.1 C141.2 R63.2 U10.35
/RF-TRANS_4/RXBBQ_P: C30.1 C141.1 R63.1 U10.36
/RF-TRANS_4/RXRF_N: C146.1 U11.2
/RF-TRANS_4/RXRF_P: C147.1 U11.3
/RF-TRANS_4/XTAL_MAX: C4.2 C13.2 U10.28
/SPI_MOSI: IC3.9 R41.1 R50.1 R59.1 R68.1 U3.3
/SPI_SCLK: IC3.8 R40.1 R49.1 R58.1 R67.1 U3.2
/uCONTROLLER&LLV-SHIFTER/I2C_SCL: IC3.19 J7.B5 R17.2
/uCONTROLLER&LLV-SHIFTER/I2C_SDA: IC3.21 J7.B6 R16.1
